# Altium PCB FPGA_Module.PcbDoc (part 2 of 6) (continued)
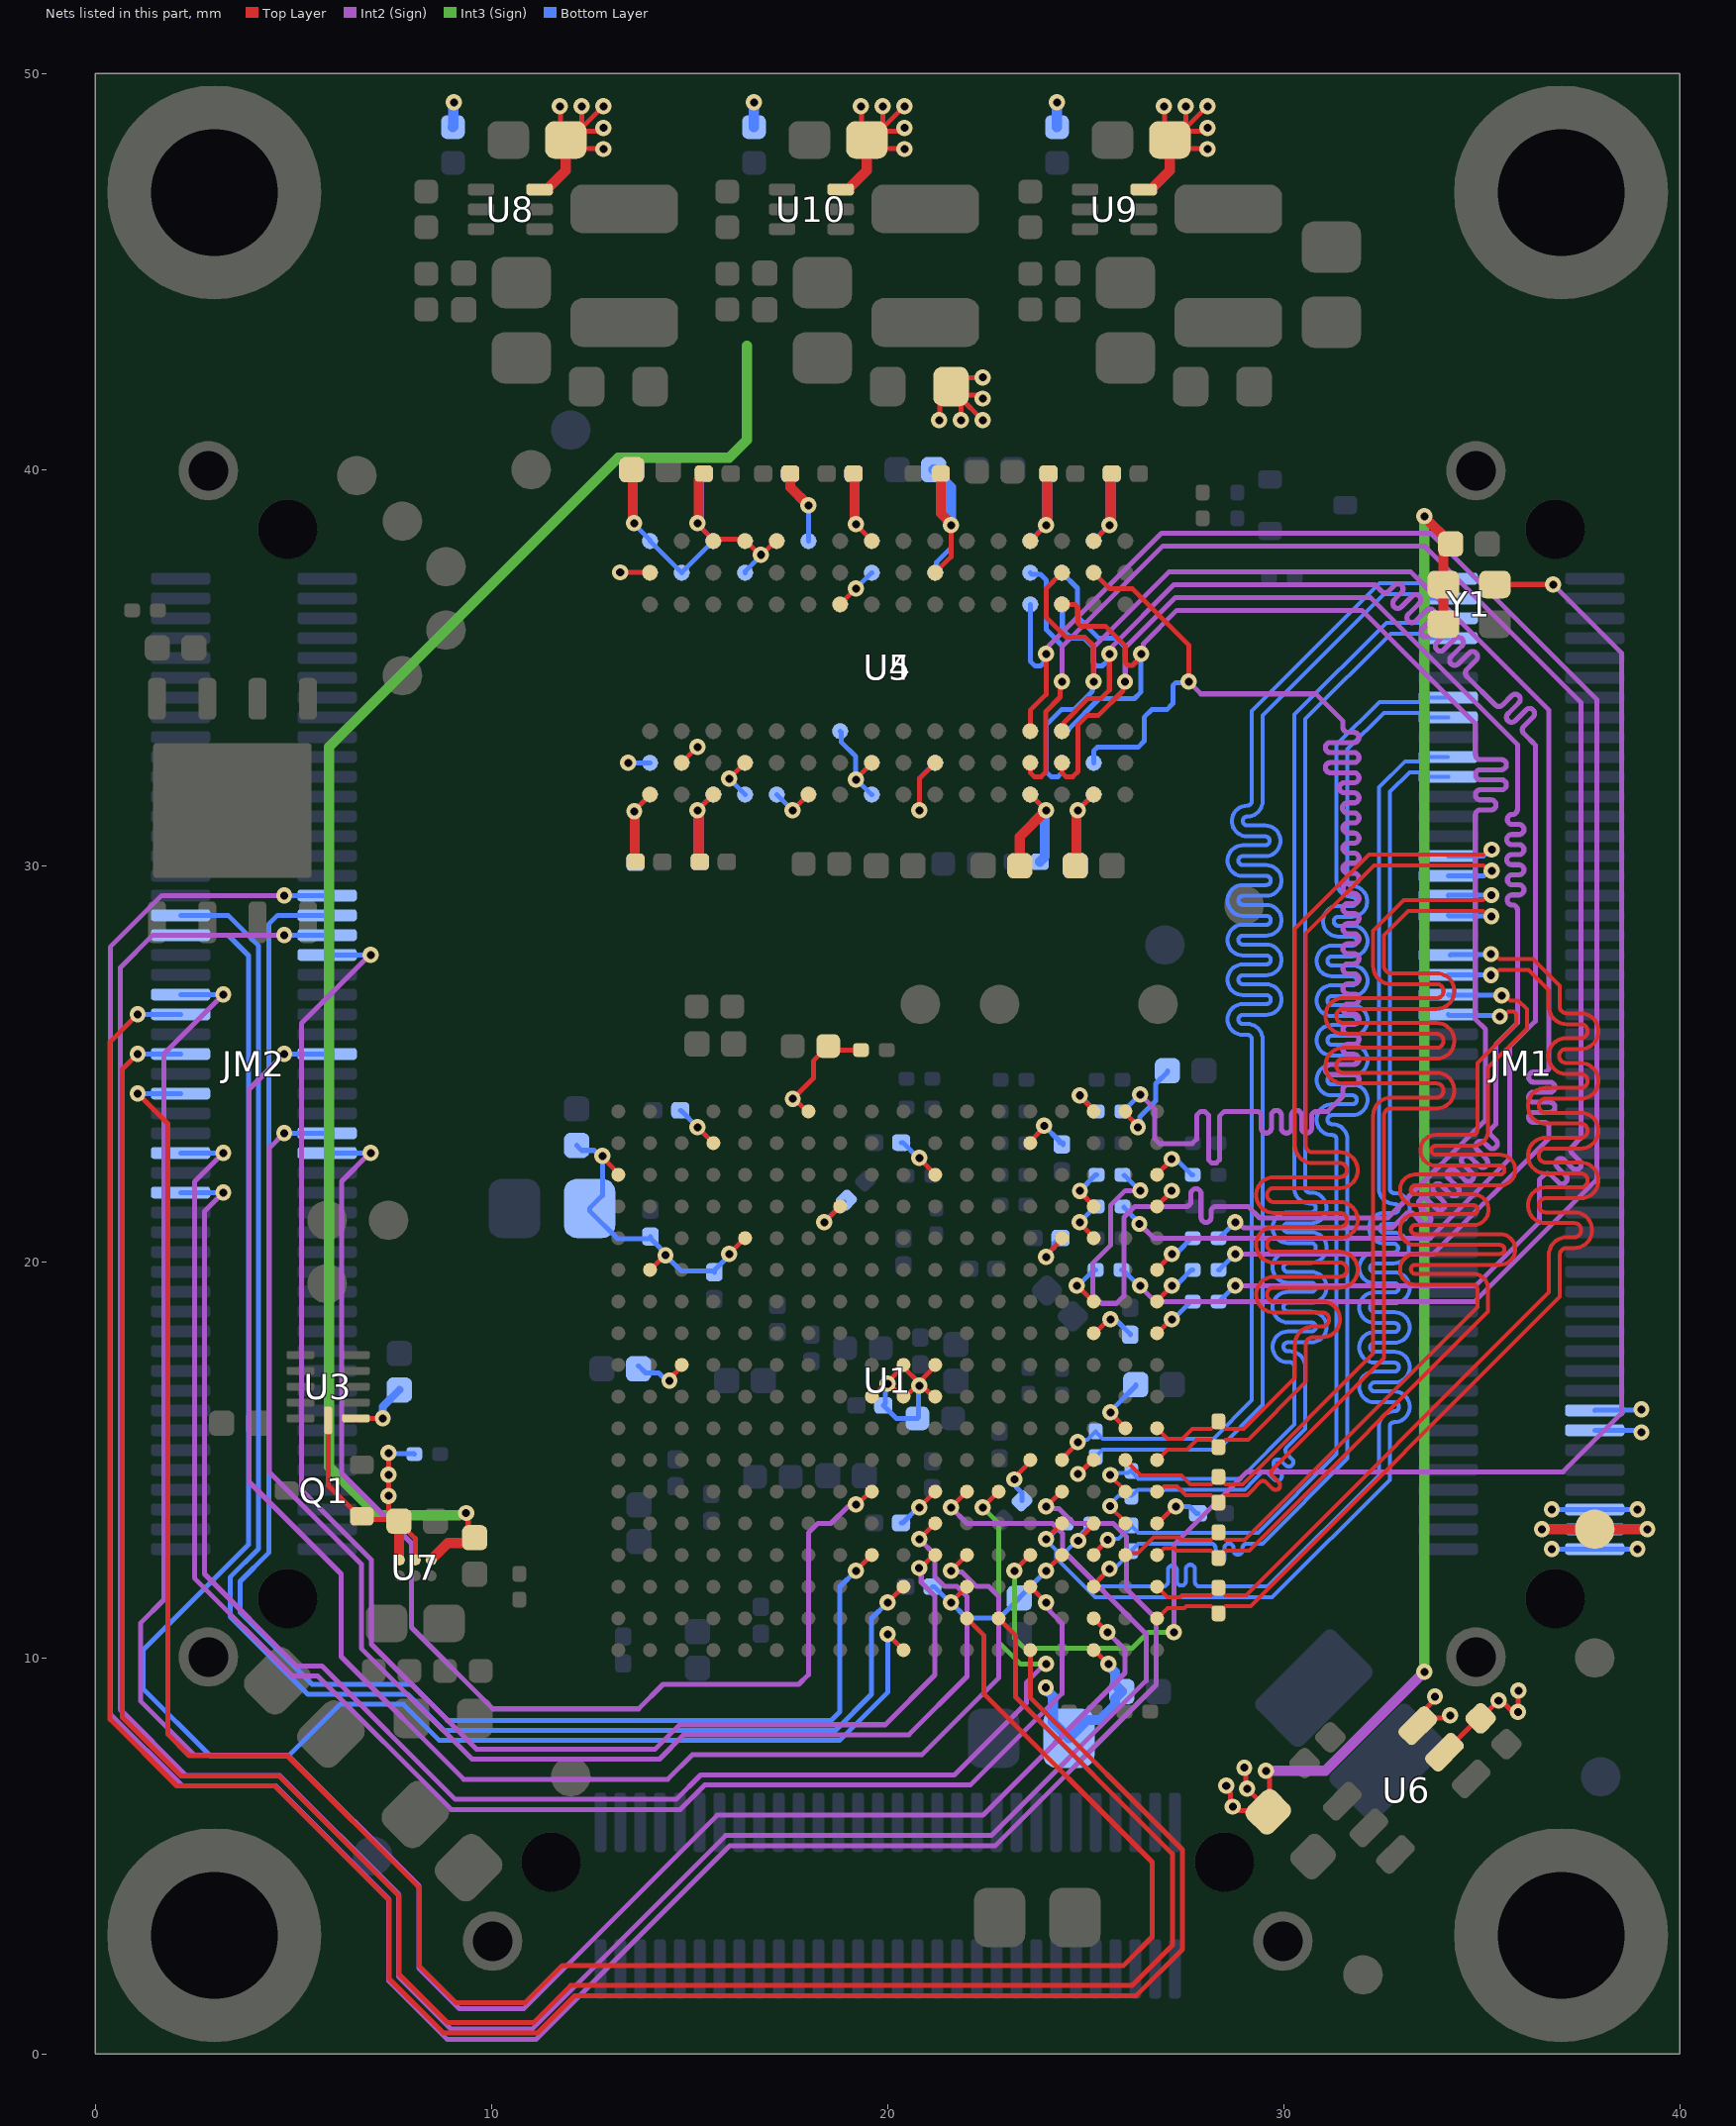
[diagram p6: the nets of this part, all layers, seen from the top]
## Nets (pads, with @x,y where several pads share a name; then routed paths per layer and width w, separated by ;. In a path a pad name is that pad's centre, name@x,y a point inside that pad or via, vN(x,y) a via of type N, cw(c..) or ccw(c..) an arc to the next point about the centre after c; other vN are vias at no path point) (continued)
D1B_P: JM1.60 R8.2 U1.V3 | length 33.8
  Top Layer w0.1: U1.V3@26.8,11.8 27.063,11.537 27.379,11.537 27.429,11.587 28.167,11.587 28.35,11.77 R8.2@28.35,11.775 ; R8.2@28.35,11.763 28.357,11.763 28.533,11.587 29.05,11.587 36.692,19.229 36.692,19.28 36.692,20.173 cw(c37.143,20.173) 37.143,20.624 37.334,20.624 ccw(c37.334,20.801) 37.334,20.978 36.614,20.978 cw(c36.614,21.429) 36.614,21.88 37.495,21.88 ccw(c37.495,22.057) 37.495,22.234 36.614,22.234 cw(c36.614,22.685) 36.614,23.136 37.495,23.136 ccw(c37.495,23.313) 37.495,23.49 36.614,23.49 cw(c36.614,23.941) 36.614,24.392 37.495,24.392 ccw(c37.495,24.569) 37.495,24.746 37.131,24.746 cw(c37.131,25.197) 37.131,25.648 37.495,25.648 ccw(c37.495,25.825) 37.495,26.002 37.143,26.002 cw(c37.143,26.453) 36.692,26.453 36.692,26.64 36.692,26.857 36.181,27.368 35.442,27.368 35.312,27.238 v1(35.23,27.238)
  Bottom Layer w0.127: JM1.60@34.15,27.25 34.156,27.244 35.224,27.244 v1(35.23,27.238)
D2A_N: JM1.68 R1.2 U1.U7 | length 37
  Top Layer w0.1: U1.U7@26,15 26.391,14.609 27.416,14.609 27.638,14.387 28.167,14.387 28.35,14.57 R1.2@28.35,14.575 ; R1.2@28.35,14.563 28.357,14.563 28.533,14.387 28.961,14.387 32.259,17.685 32.259,22.825 32.259,23.697 cw(c32.71,23.697) 32.71,24.148 33.857,24.148 ccw(c33.857,24.325) 33.857,24.502 31.502,24.502 cw(c31.502,24.953) 31.502,25.404 33.857,25.404 ccw(c33.857,25.581) 33.857,25.758 31.502,25.758 cw(c31.502,26.209) 31.502,26.66 33.857,26.66 ccw(c33.857,26.837) 33.857,27.014 32.71,27.014 cw(c32.71,27.465) 32.259,27.465 32.259,27.652 32.259,28.36 33.028,29.129 35.03,29.129 35.16,29.258 v1(35.242,29.258)
  Bottom Layer w0.127: JM1.68@34.15,29.25 34.154,29.254 35.237,29.254 v1(35.242,29.258)
D2A_P: JM1.66 R1.1 U1.V6 | length 36.8
  Top Layer w0.1: U1.V6@26.8,14.2 26.848,14.2 26.984,14.335 27.303,14.335 27.525,14.113 28.167,14.113 28.35,13.93 R1.1@28.35,13.925 ; R1.1@28.35,13.937 28.357,13.937 28.533,14.113 29.075,14.113 29.201,14.239 29.397,14.435 cw(c29.477,14.354) 29.557,14.435 29.716,14.276 ccw(c29.796,14.356) 29.876,14.276 ccw(c29.796,14.356) 29.876,14.436 29.718,14.595 cw(c29.798,14.675) 29.718,14.756 30.153,15.191 32.533,17.572 32.533,22.825 32.533,23.697 cw(c32.71,23.697) 32.71,23.874 33.857,23.874 ccw(c33.857,24.325) 33.857,24.776 31.502,24.776 cw(c31.502,24.953) 31.502,25.13 33.857,25.13 ccw(c33.857,25.581) 33.857,26.032 31.502,26.032 cw(c31.502,26.209) 31.502,26.386 33.857,26.386 ccw(c33.857,26.837) 33.857,27.288 32.71,27.288 cw(c32.71,27.465) 32.533,27.465 32.533,27.652 32.533,28.247 33.142,28.855 35.03,28.855 35.16,28.725 v1(35.242,28.725)
  Bottom Layer w0.127: JM1.66@34.15,28.75 34.163,28.737 35.229,28.737 v1(35.242,28.725)
D2B_N: JM1.72 R5.2 U1.V8 | length 36
  Top Layer w0.1: U1.V8@26.8,15.8 27.063,15.537 27.44,15.537 27.69,15.787 28.167,15.787 28.35,15.97 R5.2@28.35,15.975 ; R5.2@28.35,15.963 28.357,15.963 28.533,15.787 28.986,15.787 30.274,17.075 30.284,17.085 30.284,17.919 cw(c30.735,17.919) 30.735,18.37 30.972,18.37 ccw(c30.972,18.547) 30.972,18.724 29.755,18.724 cw(c29.755,19.175) 29.755,19.626 31.419,19.626 ccw(c31.419,19.803) 31.419,19.98 29.755,19.98 cw(c29.755,20.431) 29.755,20.882 31.419,20.882 ccw(c31.419,21.059) 31.419,21.236 29.755,21.236 cw(c29.755,21.687) 29.755,22.138 31.419,22.138 ccw(c31.419,22.315) 31.419,22.492 30.735,22.492 cw(c30.735,22.943) 30.284,22.943 30.284,23.13 30.284,28.403 32.16,30.279 35.038,30.279 35.168,30.408 v1(35.25,30.408)
  Bottom Layer w0.127: JM1.72@34.15,30.25 35.047,30.25 35.205,30.408 v1(35.25,30.408)
D2B_P: JM1.70 R5.1 U1.V7 | length 36
  Top Layer w0.1: U1.V7@26.8,15 27.063,15.263 27.553,15.263 27.803,15.513 28.167,15.513 28.35,15.33 R5.1@28.35,15.325 ; R5.1@28.35,15.337 28.357,15.337 28.533,15.513 29.1,15.513 30.558,16.972 30.558,17.075 30.558,17.919 cw(c30.735,17.919) 30.735,18.096 30.972,18.096 ccw(c30.972,18.547) 30.972,18.998 29.755,18.998 cw(c29.755,19.175) 29.755,19.352 31.419,19.352 ccw(c31.419,19.803) 31.419,20.254 29.755,20.254 cw(c29.755,20.431) 29.755,20.608 31.419,20.608 ccw(c31.419,21.059) 31.419,21.51 29.755,21.51 cw(c29.755,21.687) 29.755,21.864 31.419,21.864 ccw(c31.419,22.315) 31.419,22.766 30.735,22.766 cw(c30.735,22.943) 30.558,22.943 30.558,23.13 30.558,28.289 32.274,30.005 35.038,30.005 35.168,29.875 v1(35.25,29.875)
  Bottom Layer w0.127: JM1.70@34.15,29.75 35.049,29.75 35.174,29.875 v1(35.25,29.875)
D3A_N: JM1.82 R3.1 U1.T5 | length 40
  Top Layer w0.127: v1@24.811,12.947 24.811,12.979 25.2,13.368 U1.T5@25.2,13.4
  Bottom Layer w0.1: v1@24.81,12.938 24.75,12.938 24.529,12.717 24.529,12.634 25.354,11.808 26.52,11.808 26.961,11.808 ccw(c26.961,11.922) 27.075,11.922 27.075,12.218 cw(c27.188,12.218) 27.302,12.218 27.302,11.943 ccw(c27.415,11.943) 27.529,11.943 27.529,12.24 cw(c27.642,12.24) 27.756,12.24 27.756,11.922 ccw(c27.869,11.922) 27.869,11.808 28.146,11.808 29.597,11.808 32.402,14.614 32.402,15.151 32.402,15.839 cw(c32.79,15.839) 32.79,16.227 ; v1@24.811,12.947 24.811,13.044 24.91,13.143 24.91,13.16 24.99,13.24 24.99,13.245 25.135,13.39 R3.1@25.14,13.39 ; 32.791,16.227 ccw(c32.791,16.34) 32.791,16.454 32.295,16.454 cw(c32.295,16.841) 32.295,17.229 32.791,17.229 ccw(c32.791,17.342) 32.791,17.456 32.295,17.456 cw(c32.295,17.843) 32.295,18.231 32.791,18.231 ccw(c32.791,18.344) 32.791,18.458 32.295,18.458 cw(c32.295,18.845) 32.295,19.233 32.791,19.233 ccw(c32.791,19.346) 32.791,19.46 32.295,19.46 cw(c32.295,19.847) 32.295,20.235 32.773,20.235 ccw(c32.773,20.348) 32.773,20.462 32.539,20.462 cw(c32.539,20.849) 32.539,21.237 32.79,21.237 ccw(c32.79,21.35) 32.79,21.464 cw(c32.79,21.851) 32.402,21.851 32.402,22.574 32.402,31.979 33.061,32.637 33.423,32.637 33.528,32.742 JM1.82@34.142,32.742
  other v1: 24.81,12.96
D3A_P: JM1.80 R3.2 U1.R5 | length 38.8
  Top Layer w0.127: v1(24,13) U1.R5@24.4,13.4
  Bottom Layer w0.1: R3.2@24.475,13.4 24.455,13.4 24.32,13.265 24.302,13.265 24.037,13 v1(24,13) 24,12.971 24.255,12.717 24.255,12.52 25.241,11.534 29.71,11.534 32.676,14.501 32.676,15.151 32.676,15.839 cw(c32.79,15.839) 32.79,15.953 ; 32.791,15.953 ccw(c32.791,16.34) 32.791,16.728 32.295,16.728 cw(c32.295,16.841) 32.295,16.955 32.791,16.955 ccw(c32.791,17.342) 32.791,17.73 32.295,17.73 cw(c32.295,17.843) 32.295,17.957 32.791,17.957 ccw(c32.791,18.344) 32.791,18.732 32.295,18.732 cw(c32.295,18.845) 32.295,18.959 32.791,18.959 ccw(c32.791,19.346) 32.791,19.734 32.295,19.734 cw(c32.295,19.847) 32.295,19.961 32.773,19.961 ccw(c32.773,20.348) 32.773,20.736 32.539,20.736 cw(c32.539,20.849) 32.539,20.963 32.79,20.963 ccw(c32.79,21.35) 32.79,21.738 cw(c32.79,21.851) 32.676,21.851 32.676,22.574 32.676,31.865 33.174,32.363 33.423,32.363 33.536,32.25 JM1.80@34.15,32.25
D3B_N: JM1.88 R7.2 U1.T4 | length 37.6
  Top Layer w0.127: U1.T4@25.2,12.6 25.2,12.621 v1(25.557,12.979)
  Bottom Layer w0.1: v1(25.557,12.979) 25.584,13.005 25.83,13.005 26.15,13.325 R7.2@26.15,13.35 ; R7.2@26.15,13.336 26.159,13.336 26.333,13.162 29.35,13.162 31.334,15.146 31.334,22.901 31.334,23.088 ccw(c31.221,23.088) 31.221,23.202 31.216,23.202 cw(c31.216,23.589) 31.216,23.977 31.729,23.977 ccw(c31.729,24.09) 31.729,24.204 31.216,24.204 cw(c31.216,24.591) 31.216,24.979 31.729,24.979 ccw(c31.729,25.092) 31.729,25.206 31.216,25.206 cw(c31.216,25.593) 31.216,25.981 31.729,25.981 ccw(c31.729,26.094) 31.729,26.208 31.216,26.208 cw(c31.216,26.595) 31.216,26.983 31.729,26.983 ccw(c31.729,27.096) 31.729,27.21 31.216,27.21 cw(c31.216,27.597) 31.216,27.985 31.729,27.985 ccw(c31.729,28.098) 31.729,28.212 31.376,28.212 cw(c31.376,28.599) 31.376,28.987 31.722,28.987 ccw(c31.722,29.1) 31.722,29.214 cw(c31.722,29.601) 31.334,29.601 31.334,30.475 31.334,33.053 32.418,34.137 33.423,34.137 33.536,34.25 JM1.88@34.15,34.25
D3B_P: JM1.86 R7.1 U1.T3 | length 38.9
  Top Layer w0.127: U1.T3@25.2,11.8 25.2,11.846 25.6,12.246 v1@25.6,12.291
  Bottom Layer w0.1: v1(25.6,12.25) 25.659,12.309 25.784,12.309 26.15,12.675 R7.1@26.15,12.7 ; R7.1@26.15,12.712 26.157,12.712 26.333,12.888 27.887,12.888 28.164,12.888 cw(c28.164,12.775) 28.277,12.775 28.277,12.513 ccw(c28.391,12.513) 28.504,12.513 28.504,12.775 cw(c28.618,12.775) 28.731,12.775 28.731,12.72 ccw(c28.845,12.72) 28.958,12.72 28.958,12.775 cw(c29.072,12.775) 29.072,12.888 29.353,12.888 29.464,12.888 31.608,15.033 31.608,22.901 31.608,23.088 ccw(c31.221,23.088) 31.221,23.476 31.216,23.476 cw(c31.216,23.589) 31.216,23.703 31.729,23.703 ccw(c31.729,24.09) 31.729,24.478 31.216,24.478 cw(c31.216,24.591) 31.216,24.705 31.729,24.705 ccw(c31.729,25.092) 31.729,25.48 31.216,25.48 cw(c31.216,25.593) 31.216,25.707 31.729,25.707 ccw(c31.729,26.094) 31.729,26.482 31.216,26.482 cw(c31.216,26.595) 31.216,26.709 31.729,26.709 ccw(c31.729,27.096) 31.729,27.484 31.216,27.484 cw(c31.216,27.597) 31.216,27.711 31.729,27.711 ccw(c31.729,28.098) 31.729,28.486 31.376,28.486 cw(c31.376,28.599) 31.376,28.713 31.722,28.713 ccw(c31.722,29.1) 31.722,29.488 cw(c31.722,29.601) 31.608,29.601 31.608,30.475 31.608,32.94 32.532,33.863 33.423,33.863 33.536,33.75 JM1.86@34.15,33.75
D4A_N: JM1.96 R4.2 U1.U6 | length 35.6
  Top Layer w0.1: v1(25.62,14.62) 25.62,14.6 26,14.22 U1.U6@26,14.2
  Bottom Layer w0.1: v1(25.62,14.62) 25.673,14.673 26.073,14.673 26.15,14.75 26.15,14.708 26.334,14.524 28.898,14.524 30.267,15.892 30.267,16.501 30.267,17.354 ccw(c30.153,17.354) 30.153,17.467 30.106,17.467 cw(c30.106,17.855) 30.106,18.242 30.694,18.242 ccw(c30.694,18.356) 30.694,18.469 30.106,18.469 cw(c30.106,18.857) 30.106,19.244 30.694,19.244 ccw(c30.694,19.358) 30.694,19.471 30.106,19.471 cw(c30.106,19.859) 30.106,20.246 30.694,20.246 ccw(c30.694,20.36) 30.694,20.473 30.106,20.473 cw(c30.106,20.861) 30.106,21.248 30.694,21.248 ccw(c30.694,21.362) 30.694,21.475 30.654,21.475 cw(c30.654,21.863) 30.267,21.863 30.267,22.05 30.267,33.817 32.586,36.137 33.423,36.137 33.536,36.25 JM1.96@34.15,36.25
D4A_P: JM1.94 R4.1 U1.U5 | length 36.9
  Top Layer w0.1: v1@25.619,13.836 25.619,13.809 26,13.428 U1.U5@26,13.4
  Bottom Layer w0.1: v1@25.619,13.836 25.619,13.894 25.825,14.1 R4.1@26.15,14.1 ; R4.1@26.176,14.131 26.201,14.131 26.32,14.25 29.012,14.25 29.24,14.478 29.436,14.674 cw(c29.516,14.594) 29.596,14.674 29.759,14.511 ccw(c29.839,14.591) 29.919,14.511 ccw(c29.839,14.591) 29.919,14.672 29.771,14.819 cw(c29.852,14.9) 29.771,14.98 cw(c29.852,14.9) 29.932,14.98 30.048,14.864 ccw(c30.128,14.945) 30.208,14.864 ccw(c30.128,14.945) 30.208,15.025 30.078,15.155 cw(c30.158,15.236) 30.078,15.316 30.382,15.62 30.541,15.779 30.541,16.501 30.541,17.354 ccw(c30.153,17.354) 30.153,17.741 30.106,17.741 cw(c30.106,17.855) 30.106,17.968 30.694,17.968 ccw(c30.694,18.356) 30.694,18.743 30.106,18.743 cw(c30.106,18.857) 30.106,18.97 30.694,18.97 ccw(c30.694,19.358) 30.694,19.745 30.106,19.745 cw(c30.106,19.859) 30.106,19.972 30.694,19.972 ccw(c30.694,20.36) 30.694,20.747 30.106,20.747 cw(c30.106,20.861) 30.106,20.974 30.694,20.974 ccw(c30.694,21.362) 30.694,21.749 30.654,21.749 cw(c30.654,21.863) 30.541,21.863 30.541,22.05 30.541,33.704 32.7,35.863 33.423,35.863 33.536,35.75 JM1.94@34.15,35.75
  other v1: 25.619,13.83
D4B_N: JM1.100 R2.2 U1.R7 | length 38.6
  Top Layer w0.127: U1.R7@24.4,15 24.4,15.025 24.8,15.425 v1(24.8,15.45)
  Bottom Layer w0.1: v1(24.8,15.45) 24.859,15.509 25.038,15.509 25.25,15.72 R2.2@25.25,15.725 ; R2.2@25.263,15.7 25.27,15.7 25.433,15.537 28.225,15.537 29.192,16.503 29.192,25.433 29.192,25.62 ccw(c29.078,25.62) 29.078,25.733 28.969,25.733 cw(c28.969,26.121) 28.969,26.508 29.557,26.508 ccw(c29.557,26.622) 29.557,26.735 28.969,26.735 cw(c28.969,27.123) 28.969,27.51 29.557,27.51 ccw(c29.557,27.624) 29.557,27.737 28.969,27.737 cw(c28.969,28.125) 28.969,28.512 29.557,28.512 ccw(c29.557,28.626) 29.557,28.739 28.969,28.739 cw(c28.969,29.127) 28.969,29.514 29.557,29.514 ccw(c29.557,29.628) 29.557,29.741 28.969,29.741 cw(c28.969,30.129) 28.969,30.516 29.529,30.516 ccw(c29.529,30.63) 29.529,30.743 29.078,30.743 cw(c29.078,31.131) 29.078,31.518 ccw(c29.078,31.632) 29.192,31.632 29.192,32.157 29.192,33.91 32.418,37.137 33.423,37.137 33.536,37.25 JM1.100@34.15,37.25
D4B_P: JM1.98 R2.1 U1.T7 | length 38.6
  Top Layer w0.127: v1(24.806,14.644) 24.825,14.644 25.181,15 U1.T7@25.2,15
  Bottom Layer w0.1: v1(24.806,14.644) 24.825,14.644 25.259,15.078 25.259,15.089 25.433,15.263 28.339,15.263 29.466,16.39 29.466,25.433 29.466,25.62 ccw(c29.078,25.62) 29.078,26.007 28.969,26.007 cw(c28.969,26.121) 28.969,26.234 29.557,26.234 ccw(c29.557,26.622) 29.557,27.009 28.969,27.009 cw(c28.969,27.123) 28.969,27.236 29.557,27.236 ccw(c29.557,27.624) 29.557,28.011 28.969,28.011 cw(c28.969,28.125) 28.969,28.238 29.557,28.238 ccw(c29.557,28.626) 29.557,29.013 28.969,29.013 cw(c28.969,29.127) 28.969,29.24 29.557,29.24 ccw(c29.557,29.628) 29.557,30.015 28.969,30.015 cw(c28.969,30.129) 28.969,30.242 29.529,30.242 ccw(c29.529,30.63) 29.529,31.017 29.078,31.017 cw(c29.078,31.131) 29.078,31.244 ccw(c29.078,31.632) 29.466,31.632 29.466,32.157 29.466,33.797 32.532,36.863 33.423,36.863 33.536,36.75 JM1.98@34.15,36.75
DC_CPL_1: JM2.42 U1.P3 | length 40.6
  Top Layer w0.127: U1.P3@23.638,11.762 v1(24,11.4)
  Int2 (Sign) w0.127: v1(3.23,22.75) 2.5,22.02 2.5,12.975 2.5,12.016 4.97,9.546 5.612,9.546 8.983,6.175 14.766,6.175 15.382,6.791 22.088,6.791 24.4,9.103 24.4,10.875 24.089,11.186 24.089,11.235 24,11.324 v1(24,11.4)
  Bottom Layer w0.127: JM2.42@2.15,22.75 v1(3.23,22.75)
DC_CPL_2: JM2.52 U1.N2 | length 59.7
  Top Layer w0.127: v1(1.07,25.25) 0.676,24.856 0.676,8.505 2.157,7.024 4.632,7.024 7.667,3.99 7.667,2.015 8.89,0.792 11.06,0.792 11.997,1.729 26.17,1.729 27.187,2.747 27.187,5.053 23.235,9.006 23.235,10.565 U1.N2@22.8,11
  Bottom Layer w0.127: v1(1.07,25.25) JM2.52@2.15,25.25
DC_CPL_3: JM2.58 U1.T2 | length 54.2
  Top Layer w0.127: U1.T2@25.238,10.962 v1(25.55,10.65)
  Int2 (Sign) w0.127: v1(3.23,26.75) 1.729,25.249 1.729,11.47 1.137,10.878 1.137,8.913 2.508,7.542 4.868,7.542 8.167,4.243 8.167,2.168 9.193,1.142 10.81,1.142 15.697,6.029 22.404,6.029 25.994,9.619 25.994,9.724 25.994,10.206 v1(25.55,10.65)
  Bottom Layer w0.127: JM2.58@2.15,26.75 v1(3.23,26.75)
DC_CPL_4: JM2.66 U1.K3 | length 40.3
  Top Layer w0.127: v1(20,11.4) U1.K3@20.362,11.762
  Bottom Layer w0.127: JM2.66@2.15,28.75 3.35,28.75 4.121,27.979 4.121,12.758 3.4,12.037 3.4,11.046 5.363,9.083 7.879,9.083 8.791,8.171 18.684,8.171 19.594,9.081 19.594,10.994 v1(20,11.4)
DDR3_A0: R41.1 U1.T12 | length 1.2
  Top Layer w0.127: v1(24.775,19.4) 24.788,19.4 25.187,19 U1.T12@25.2,19
  Bottom Layer w0.127: v1(24.775,19.4) 24.812,19.4 25.212,19.8 R41.1@25.25,19.8
DDR3_A0_T: R41.2 U4.N3 U5.N3 | length 46.9
  Top Layer w0.127: U4.N3@23.6,33.4 23.6,33.925 24,34.325 v1(24,35.35)
  Int2 (Sign) w0.127: v1(24,35.35) 24.053,35.403 24.053,35.538 26.916,38.4 33.7,38.4 37.9,34.2 37.9,22.075 34.825,19 26.75,19 26.375,19.375 v1(26.375,19.4)
  Bottom Layer w0.127: U5.N3@23.6,36.6 23.6,35.167 23.725,35.042 23.856,35.042 23.947,35.132 23.947,35.287 v1@24.005,35.345 ; R41.2@25.9,19.8 25.938,19.8 26.338,19.4 v1(26.375,19.4)
DDR3_A1: R21.1 U1.T15 | length 1.1
  Top Layer w0.127: v1(24.855,21.791) 24.855,21.768 25.187,21.436 U1.T15@25.187,21.4
  Bottom Layer w0.127: v1(24.855,21.791) 24.855,21.798 25.257,22.2 R21.1@25.275,22.2
DDR3_A1_T: R21.2 U4.P7 U5.P7 | length 49.1
  Top Layer w0.127: U4.P7@24.4,36.6 24.723,36.6 24.8,36.523 24.8,36.124 24.874,36.05 25.5,36.05 26,35.55 26,35.13 26.074,35.056 26.182,35.056 26.4,35.274 v1(26.4,35.35)
  Int2 (Sign) w0.127: v1(26.381,21.8) 26,21.8 25.625,21.425 25.625,20.415 25.175,19.965 25.175,19.182 25.406,18.951 25.776,18.951 25.963,19.138 25.963,21.12 26.243,21.4 27.207,21.4 27.531,21.4 ccw(c27.531,21.527) 27.658,21.527 27.658,21.718 cw(c27.785,21.718) 27.912,21.718 27.912,21.124 ccw(c28.039,21.124) 28.166,21.124 28.166,21.273 cw(c28.293,21.273) 28.293,21.4 28.356,21.4 29.1,21.4 29.392,21.108 32.624,21.108 33.152,21.636 33.152,21.643 34.812,23.303 34.818,23.303 35.096,23.58 35.096,25.869 34.837,26.128 34.837,31.003 34.837,31.282 cw(c34.964,31.282) 34.964,31.409 35.232,31.409 ccw(c35.232,31.536) 35.232,31.663 34.964,31.663 cw(c34.964,31.79) 34.964,31.917 35.494,31.917 ccw(c35.494,32.044) 35.494,32.171 34.964,32.171 cw(c34.964,32.298) 34.964,32.425 35.494,32.425 ccw(c35.494,32.552) 35.494,32.679 34.964,32.679 cw(c34.964,32.806) 34.837,32.806 34.837,32.87 34.837,33.588 31.975,36.45 27.301,36.45 26.453,35.603 26.453,35.403 v1(26.4,35.35)
  Bottom Layer w0.127: U5.P7@24.4,33.4 24.452,33.452 24.576,33.452 25.343,34.22 26.228,34.22 26.387,34.379 26.387,35.337 v1(26.4,35.35) ; R21.2@25.963,22.187 25.976,22.187 26.363,21.8 v1(26.381,21.8)
DDR3_A2: R24.1 U1.T14 | length 1.1
  Top Layer w0.127: v1(24.85,21) 24.85,20.975 25.187,20.638 U1.T14@25.187,20.6
  Bottom Layer w0.127: v1(24.85,21) 25.25,21.4 R24.1@25.275,21.4
DDR3_A2_T: R24.2 U4.P3 U5.P3 | length 48.2
  Top Layer w0.127: U4.P3@24.4,33.4 24.452,33.452 24.452,33.616 25.062,34.225 25.385,34.225 25.597,34.437 v1@25.597,35.347
  Int2 (Sign) w0.127: v1(25.6,35.35) 25.65,35.4 25.65,35.517 27.232,37.1 32.3,37.1 32.422,36.978 32.467,36.933 ccw(c32.557,37.022) 32.647,36.933 32.796,37.081 cw(c32.885,36.991) 32.975,37.081 cw(c32.885,36.991) 32.975,36.902 32.787,36.714 ccw(c32.877,36.624) 32.787,36.534 ccw(c32.877,36.624) 32.967,36.534 33.241,36.808 cw(c33.33,36.718) 33.42,36.808 cw(c33.33,36.718) 33.42,36.628 33.146,36.354 ccw(c33.236,36.265) 33.146,36.175 ccw(c33.236,36.265) 33.326,36.175 33.6,36.449 cw(c33.69,36.359) 33.779,36.449 cw(c33.69,36.359) 33.779,36.269 33.506,35.995 ccw(c33.595,35.905) 33.506,35.816 ccw(c33.595,35.905) 33.685,35.816 33.959,36.089 cw(c34.049,36) 34.139,36.089 cw(c34.049,36) 34.139,35.91 33.865,35.636 ccw(c33.955,35.546) 33.865,35.456 ccw(c33.955,35.546) 34.044,35.456 34.318,35.73 cw(c34.408,35.64) 34.498,35.73 cw(c34.408,35.64) 34.498,35.551 34.224,35.277 ccw(c34.314,35.187) 34.224,35.097 ccw(c34.314,35.187) 34.404,35.097 34.677,35.371 cw(c34.767,35.281) 34.857,35.371 cw(c34.767,35.281) 34.857,35.191 34.623,34.957 ccw(c34.712,34.867) 34.623,34.777 35.341,34.059 ccw(c35.431,34.149) 35.521,34.059 35.755,34.293 cw(c35.845,34.204) 35.935,34.293 cw(c35.845,34.204) 35.935,34.114 35.661,33.84 ccw(c35.751,33.75) 35.661,33.66 ccw(c35.751,33.75) 35.84,33.66 36.114,33.934 cw(c36.204,33.844) 36.294,33.934 cw(c36.204,33.844) 36.294,33.755 36.059,33.52 ccw(c36.149,33.43) 36.059,33.341 36.235,33.165 36.28,33.12 36.35,33.05 36.35,26.075 35.7,25.425 35.7,22.6 33.7,20.6 26.714,20.6 v1(26.357,20.957)
  Bottom Layer w0.127: U5.P3@24.4,36.6 24.41,36.59 24.41,35.965 24.632,35.744 24.963,35.744 25.194,35.513 25.194,35.118 25.268,35.044 25.419,35.044 25.547,35.171 25.547,35.297 v1(25.6,35.35) ; R24.2@25.963,21.387 25.963,21.374 26.357,20.98 v1(26.357,20.957)
DDR3_A3: R30.1 U1.V11 | length 1.2
  Top Layer w0.127: U1.V11@26.8,18.2 26.813,18.2 27.162,18.55 v1(27.175,18.55)
  Bottom Layer w0.127: v1(27.175,18.55) 27.212,18.55 27.662,19 R30.1@27.7,19
DDR3_A3_T: R30.2 U4.N2 U5.N2 | length 47.2
  Top Layer w0.127: U4.N2@23.6,32.6 23.6,32.35 23.7,32.25 23.875,32.25 23.991,32.365 23.991,33.891 24.356,34.256 24.356,34.606 v1(24.4,34.65)
  Int2 (Sign) w0.127: v1(24.4,34.65) 24.4,35.525 26.95,38.075 33.55,38.075 37.5,34.125 37.5,23.125 37.33,22.955 37.285,22.91 ccw(c37.375,22.821) 37.285,22.731 37.471,22.545 cw(c37.382,22.455) 37.471,22.365 cw(c37.382,22.455) 37.292,22.365 37.085,22.571 ccw(c36.996,22.482) 36.906,22.571 ccw(c36.996,22.482) 36.906,22.392 37.112,22.185 cw(c37.022,22.096) 37.112,22.006 cw(c37.022,22.096) 36.933,22.006 36.746,22.192 ccw(c36.657,22.102) 36.567,22.192 36.45,22.075 36.45,21.772 36.45,21 34.85,19.4 v1(28.775,19.4)
  Bottom Layer w0.127: U5.N2@23.6,37.4 23.639,37.361 23.859,37.361 24.01,37.21 24.01,35.956 24.406,35.56 24.406,34.656 v1(24.4,34.65) ; R30.2@28.35,19 28.375,19 v1(28.775,19.4)
DDR3_A4: R39.1 U1.V12 | length 1.2
  Top Layer w0.127: U1.V12@26.8,19 26.8,19.013 27.175,19.388 v1(27.175,19.4)
  Bottom Layer w0.127: v1(27.175,19.4) 27.228,19.453 27.328,19.453 27.675,19.8 R39.1@27.7,19.8
DDR3_A4_T: R39.2 U4.P8 U5.P8 | length 45.5
  Top Layer w0.127: U4.P8@24.4,37.4 24.01,37.009 24.01,36.265 24.5,35.775 24.975,35.775 25.194,35.556 25.194,34.656 v1(25.2,34.65)
  Int2 (Sign) w0.127: v1(25.2,34.65) 25.2,35.516 27.109,37.425 33.2,37.425 36.696,33.929 36.696,25.744 36.696,24.918 cw(c36.569,24.918) 36.569,24.791 36.309,24.791 ccw(c36.309,24.664) 36.309,24.537 36.719,24.537 cw(c36.719,24.41) 36.719,24.283 36.309,24.283 ccw(c36.309,24.156) 36.309,24.029 36.719,24.029 cw(c36.719,23.902) 36.719,23.775 36.309,23.775 ccw(c36.309,23.648) 36.309,23.521 36.569,23.521 cw(c36.569,23.394) 36.696,23.394 36.696,23.186 36.696,23.121 33.775,20.2 v1(28.775,20.2)
  Bottom Layer w0.127: U5.P8@24.4,32.6 24.4,32.35 24.3,32.25 24.125,32.25 24.01,32.365 24.01,33.562 24.398,33.95 24.714,33.95 25.168,34.404 25.168,34.618 v1(25.2,34.65) ; R39.2@28.35,19.8 28.375,19.8 v1(28.775,20.2)
DDR3_A5: R42.1 U1.V13 | length 1.2
  Top Layer w0.127: U1.V13@26.8,19.8 26.8,19.813 27.175,20.188 v1(27.175,20.2)
  Bottom Layer w0.127: v1(27.175,20.2) 27.228,20.253 27.328,20.253 27.675,20.6 R42.1@27.7,20.6
DDR3_A5_T: R42.2 U4.P2 U5.P2 | length 46.5
  Top Layer w0.127: U4.P2@24.4,32.6 24.4,32.35 24.5,32.25 24.675,32.25 24.81,32.384 24.81,33.562 25.038,33.791 25.31,33.791 25.94,34.421 25.94,34.622 v1@25.994,34.675
  Int2 (Sign) w0.127: v1@25.994,34.675 26.006,34.688 26.006,35.515 27.267,36.775 32.187,36.775 35.9,33.062 35.9,31.741 35.9,31.423 cw(c35.773,31.423) 35.773,31.296 35.771,31.296 ccw(c35.771,31.169) 35.771,31.042 35.937,31.042 cw(c35.937,30.915) 35.937,30.788 35.756,30.788 ccw(c35.756,30.661) 35.756,30.534 35.937,30.534 cw(c35.937,30.407) 35.937,30.28 35.756,30.28 ccw(c35.756,30.153) 35.756,30.026 35.937,30.026 cw(c35.937,29.899) 35.937,29.772 35.771,29.772 ccw(c35.771,29.645) 35.771,29.518 35.937,29.518 cw(c35.937,29.391) 35.937,29.264 35.766,29.264 ccw(c35.766,29.137) 35.766,29.01 35.773,29.01 cw(c35.773,28.883) 35.9,28.883 35.9,28.692 35.9,26.033 35.35,25.483 35.35,23.475 35.287,23.412 35.242,23.367 ccw(c35.332,23.277) 35.242,23.188 35.356,23.074 cw(c35.266,22.984) 35.356,22.894 cw(c35.266,22.984) 35.177,22.894 35.061,23.01 ccw(c34.971,22.92) 34.881,23.01 ccw(c34.971,22.92) 34.881,22.83 35.111,22.6 cw(c35.022,22.51) 35.111,22.421 cw(c35.022,22.51) 34.932,22.421 34.7,22.652 ccw(c34.61,22.562) 34.52,22.652 ccw(c34.61,22.562) 34.52,22.473 34.752,22.241 cw(c34.662,22.151) 34.752,22.061 cw(c34.662,22.151) 34.573,22.061 34.341,22.293 ccw(c34.251,22.203) 34.161,22.293 ccw(c34.251,22.203) 34.161,22.113 34.393,21.882 cw(c34.303,21.792) 34.393,21.702 cw(c34.303,21.792) 34.213,21.702 33.982,21.934 ccw(c33.892,21.844) 33.802,21.934 ccw(c33.892,21.844) 33.802,21.754 34.034,21.523 cw(c33.944,21.433) 34.034,21.343 cw(c33.944,21.433) 33.854,21.343 33.624,21.573 ccw(c33.534,21.483) 33.444,21.573 ccw(c33.534,21.483) 33.444,21.393 33.675,21.163 cw(c33.585,21.074) 33.675,20.984 cw(c33.585,21.074) 33.495,20.984 33.267,21.212 ccw(c33.177,21.122) 33.087,21.212 32.951,21.076 32.729,20.854 28.989,20.854 28.843,21 v1(28.775,21)
  Bottom Layer w0.127: U5.P2@24.4,37.4 24.791,37.01 24.791,36.284 25.325,35.75 25.341,35.75 25.345,35.746 25.779,35.746 25.994,35.531 v1@25.994,34.675 ; R42.2@28.35,20.6 28.375,20.6 v1(28.775,21)
  other v1: 25.993,34.648
DDR3_A6: R33.1 U1.T18 | length 1.1
  Top Layer w0.127: v1(24.85,24.202) 24.85,24.176 25.187,23.839 U1.T18@25.187,23.794
  Bottom Layer w0.127: v1@24.85,24.201 25.251,23.8 R33.1@25.275,23.8
DDR3_A6_T: R33.2 U4.R8 U5.R8 | length 48
  Top Layer w0.127: U4.R8@25.2,37.4 25.6,37 26.175,37 27.6,35.575 v1(27.6,34.65)
  Int2 (Sign) w0.127: v1(26.375,24.225) 26.737,23.863 26.737,23.113 26.863,22.987 27.687,22.987 27.8,23.1 27.8,23.7 27.9,23.8 28.005,23.8 28.1,23.705 28.1,22.574 28.174,22.5 28.3,22.5 28.375,22.575 28.375,23.675 28.5,23.8 28.989,23.8 29.306,23.8 cw(c29.306,23.673) 29.433,23.673 29.433,23.377 ccw(c29.56,23.377) 29.687,23.377 29.687,23.698 cw(c29.814,23.698) 29.941,23.698 29.941,23.377 ccw(c30.068,23.377) 30.195,23.377 30.195,23.698 cw(c30.322,23.698) 30.449,23.698 30.449,23.377 ccw(c30.576,23.377) 30.703,23.377 30.703,23.673 cw(c30.83,23.673) 30.83,23.8 31.052,23.8 31.112,23.8 31.289,23.977 31.495,24.183 31.495,24.349 cw(c31.622,24.349) 31.622,24.476 31.772,24.476 ccw(c31.772,24.603) 31.772,24.73 31.176,24.73 cw(c31.176,24.857) 31.176,24.984 31.772,24.984 ccw(c31.772,25.111) 31.772,25.238 31.622,25.238 cw(c31.622,25.365) 31.622,25.492 31.772,25.492 ccw(c31.772,25.619) 31.772,25.746 31.622,25.746 cw(c31.622,25.873) 31.622,26 31.772,26 ccw(c31.772,26.127) 31.772,26.254 31.622,26.254 cw(c31.622,26.381) 31.622,26.508 31.772,26.508 ccw(c31.772,26.635) 31.772,26.762 31.622,26.762 cw(c31.622,26.889) 31.622,27.016 31.772,27.016 ccw(c31.772,27.143) 31.772,27.27 31.622,27.27 cw(c31.622,27.397) 31.622,27.524 31.772,27.524 ccw(c31.772,27.651) 31.772,27.778 31.622,27.778 cw(c31.622,27.905) 31.622,28.032 31.772,28.032 ccw(c31.772,28.159) 31.772,28.286 31.622,28.286 cw(c31.622,28.413) 31.622,28.54 31.772,28.54 ccw(c31.772,28.667) 31.772,28.794 31.622,28.794 cw(c31.622,28.921) 31.622,29.048 31.772,29.048 ccw(c31.772,29.175) 31.772,29.302 31.622,29.302 cw(c31.622,29.429) 31.622,29.556 31.772,29.556 ccw(c31.772,29.683) 31.772,29.81 31.622,29.81 cw(c31.622,29.937) 31.622,30.064 31.772,30.064 ccw(c31.772,30.191) 31.772,30.318 31.622,30.318 cw(c31.622,30.445) 31.622,30.572 31.772,30.572 ccw(c31.772,30.699) 31.772,30.826 31.622,30.826 cw(c31.622,30.953) 31.622,31.08 31.772,31.08 ccw(c31.772,31.207) 31.772,31.334 31.607,31.334 cw(c31.607,31.461) 31.607,31.588 31.772,31.588 ccw(c31.772,31.715) 31.772,31.842 31.531,31.842 cw(c31.531,31.969) 31.531,32.096 31.772,32.096 ccw(c31.772,32.223) 31.772,32.35 31.176,32.35 cw(c31.176,32.477) 31.176,32.604 31.772,32.604 ccw(c31.772,32.731) 31.772,32.858 31.176,32.858 cw(c31.176,32.985) 31.176,33.112 31.772,33.112 ccw(c31.772,33.239) 31.772,33.366 31.622,33.366 cw(c31.622,33.493) 31.495,33.493 31.495,33.557 31.495,33.655 30.811,34.339 27.911,34.339 v1(27.6,34.65)
  Bottom Layer w0.127: U5.R8@25.2,32.6 25.2,32.9 25.291,32.991 26.323,32.991 26.475,33.143 26.475,33.749 26.668,33.942 27.047,33.942 27.2,34.094 27.2,34.55 27.274,34.624 27.574,34.624 v1(27.6,34.65) ; R33.2@25.963,23.8 25.963,23.813 v1(26.375,24.225)
DDR3_A7: R40.1 U1.V16 | length 1.2
  Top Layer w0.127: U1.V16@26.8,22.2 26.8,22.212 27.17,22.582 v1(27.17,22.594)
  Bottom Layer w0.127: v1(27.17,22.594) 27.224,22.54 27.335,22.54 27.675,22.2 R40.1@27.7,22.2